# Altium PCB PCB1.PcbDoc
Units mil, origin at the board's own origin, x right, y up, seen from the top; angles counter-clockwise.
Board outline 15980 x 10455 mil, 2 copper layers (Top Layer, Bottom Layer); 39 components, 69 nets, 364 pads, 113 vias.
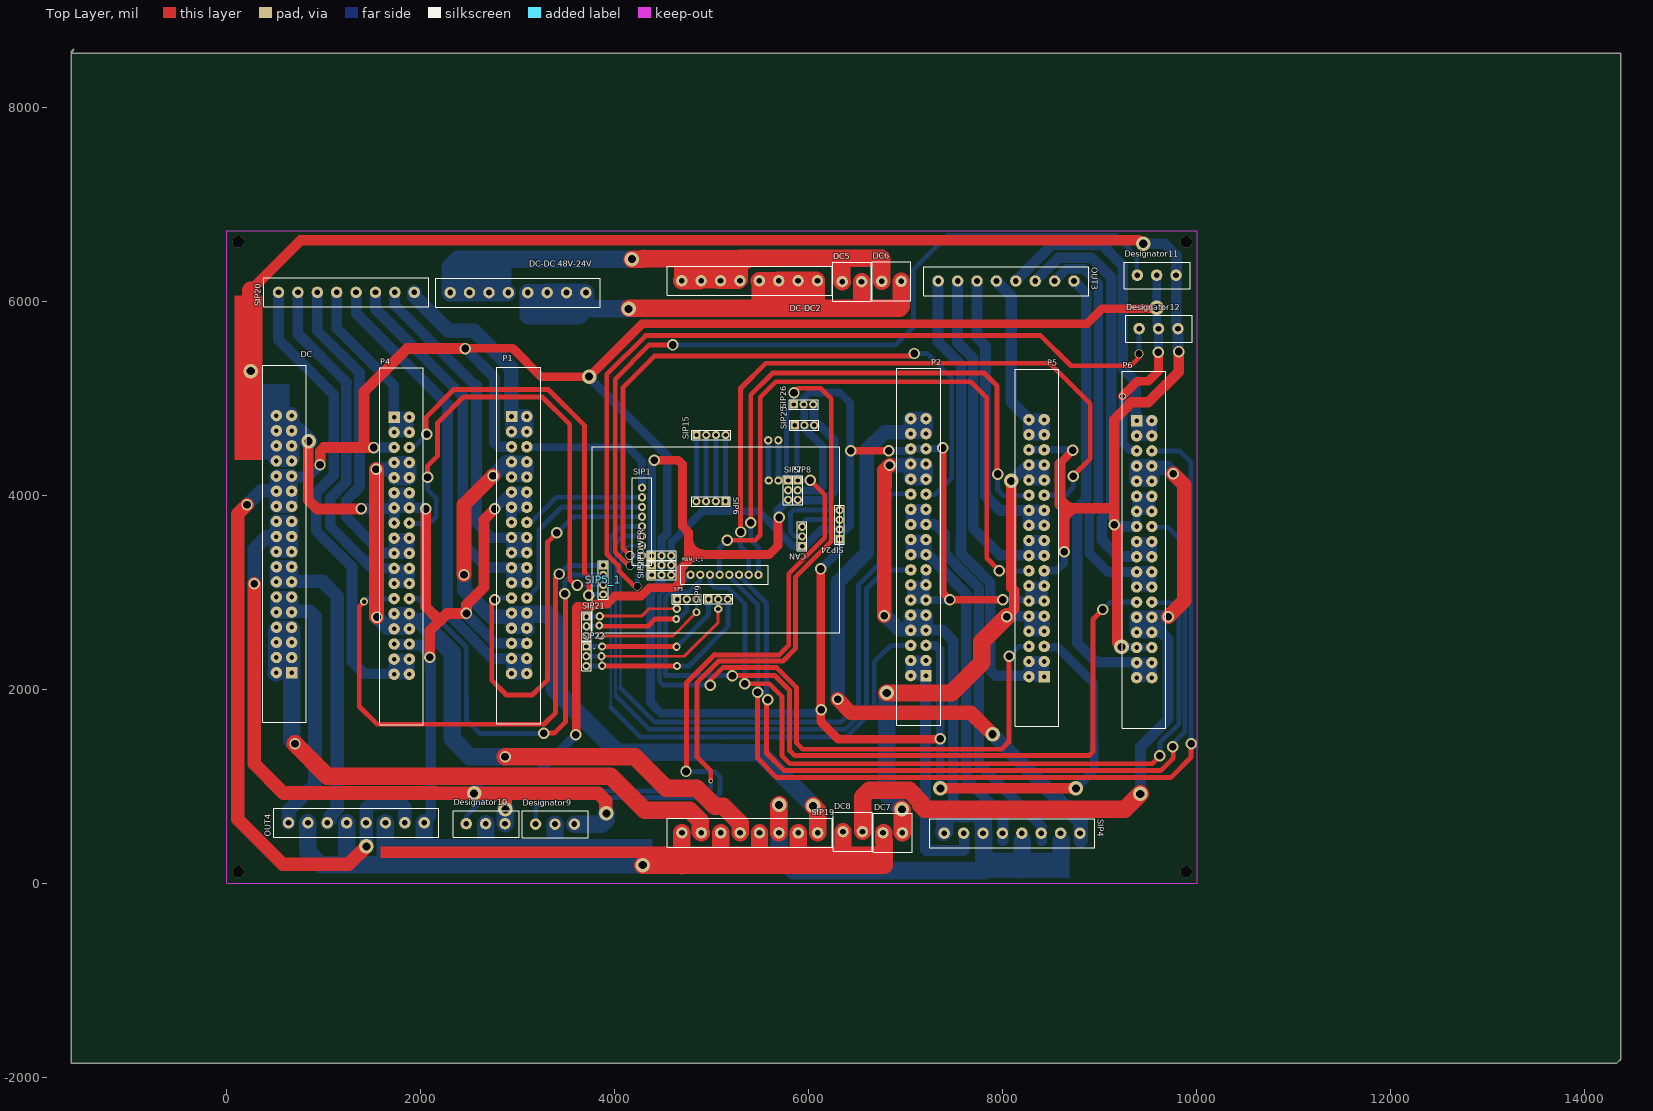
[diagram p0: Top Layer view]
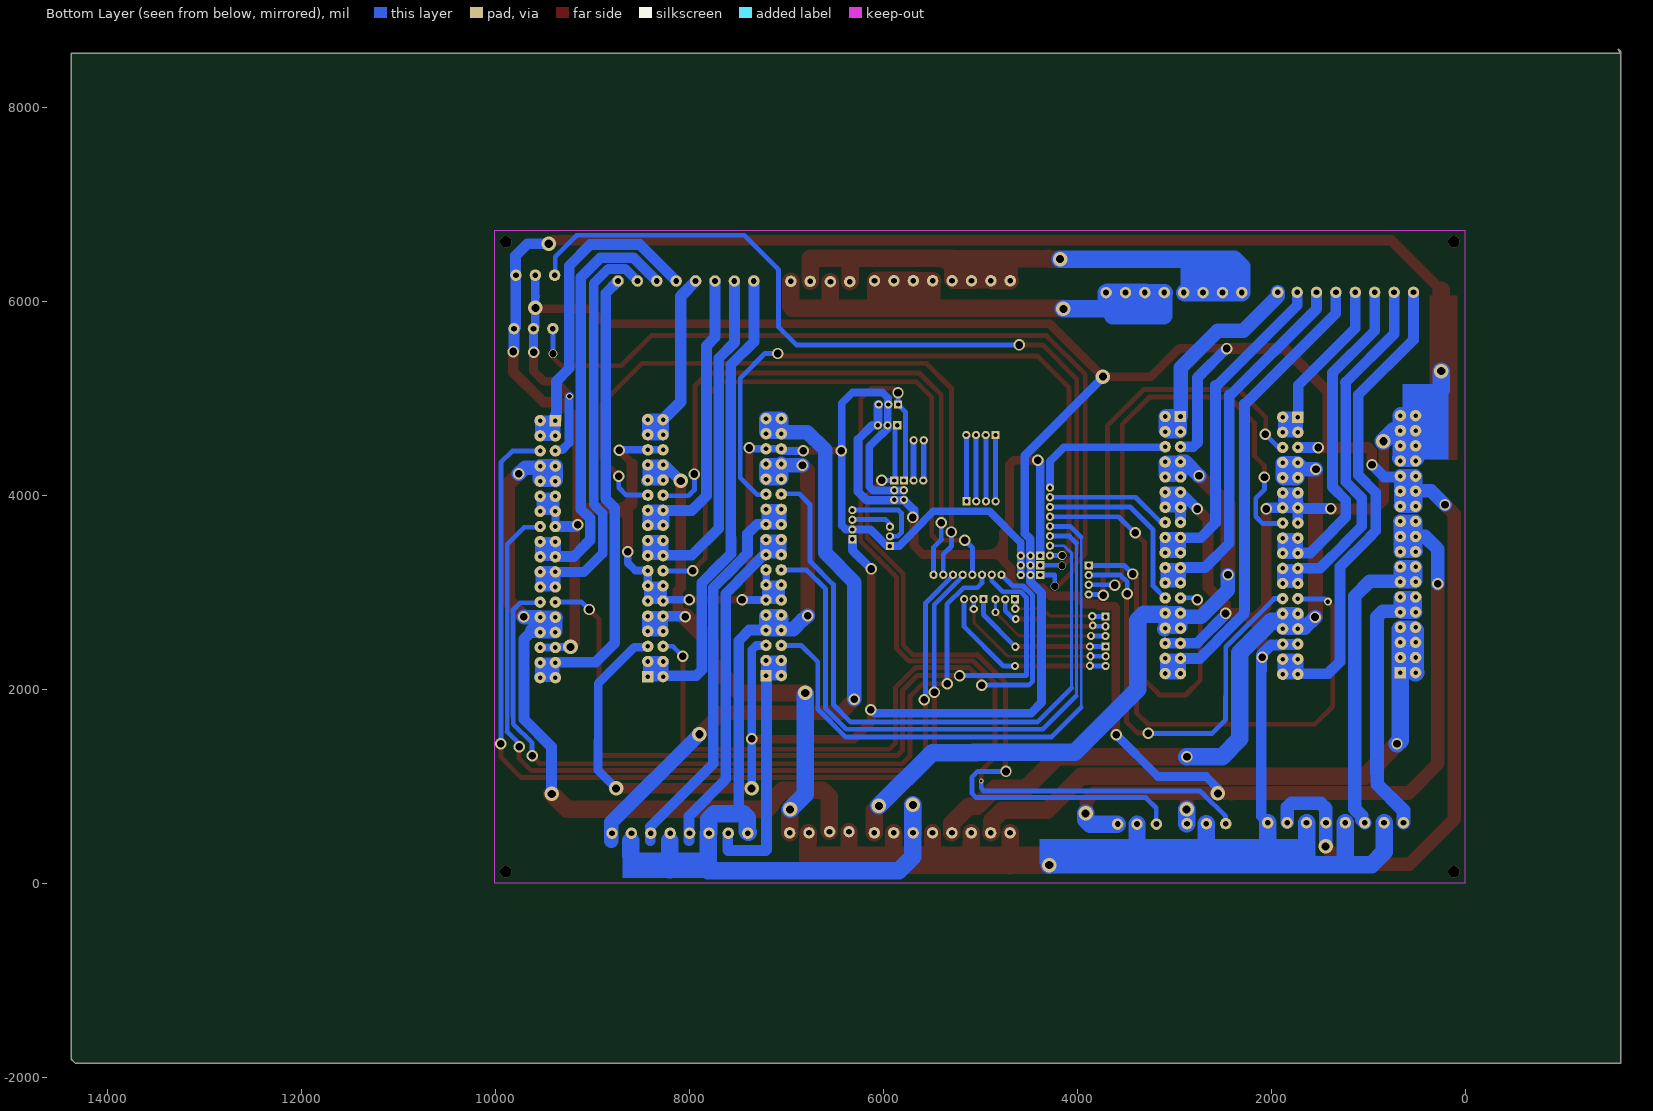
[diagram p1: Bottom Layer view, seen from below]

## Layer stack, top to bottom
Top Layer: signal copper 1.4
Dielectric: dielectric 12.6, FR-4, Dk 4.8
Bottom Layer: signal copper 1.4

## Board outline
-1600,8555 -1595,8560 14375,8560 14375,-1815 14335,-1855 -1605,-1855 -1605,8575 -1580,8600

## Design rules (kind name [scope] priority, off if disabled: settings)
Clearance [All] p1: gap=10
ComponentClearance [All] p1 off: gap=10 collisioncheckmode=3 verticalgap=10 showdistances=FALSE
PolygonConnect [All] p1: connectstyle=Relief reliefconductorwidth=10 reliefentries=4 polygonreliefangle="90 Angle"
RoutingVias [All] p1: holewidth=45 width=45 viastyle="Through Hole" minholewidth=45 minwidth=65 maxholewidth=500 maxwidth=500
SilkscreenOverComponentPads [All] p1: minsilkscreentomaskgap=10
SolderMaskExpansion [All] p1: expansion=4
Width Width_8 [InNet('DC24V_1-')] p1: maxlimit=180 minlimit=10 preferedwidth=180
Width Width_7 [InNet('DC24V_6+')] p2: maxlimit=180 minlimit=10 preferedwidth=180
Width Width_6 [InNet('DC24V_5+')] p3: maxlimit=180 minlimit=10 preferedwidth=180
Width Width_5 [InNet('DC24V_4+')] p4: maxlimit=180 minlimit=10 preferedwidth=180
Width Width_4 [InNet('DC24V_3+')] p5: maxlimit=180 minlimit=10 preferedwidth=180
Width Width_3 [InNet('DC24V_2+')] p6: maxlimit=180 minlimit=10 preferedwidth=180
Width Width_2 [InNet('DC24V_1+')] p7: maxlimit=180 minlimit=10 preferedwidth=180
Width Width_1 [InNet('5V')] p8: maxlimit=140 minlimit=10 preferedwidth=110
Width [All] p9: maxlimit=500 minlimit=10 preferedwidth=30
26 further rules are at their usual default settings.

## Components (designator, comment, footprint, x,y, rotation, side; value= is the part's Value field where it differs from the comment)
CAN "SIP3" SIP3 5932,3476 r180 top
DC "POWER_18*2" DIP36-3.96MM 669,2171 r180 top (schematic designator P3)
DC5 "SIP2" DIP2-3MM-K 6446,6203 r0 top
DC6 "SIP2" DIP2-3MM-K 6854,6206 r0 top
DC7 "SIP2" DIP2-3MM-K 6866,519 r0 top (schematic designator DC5)
DC8 "SIP2" DIP2-3MM-K 6454,531 r0 top (schematic designator DC5)
DC-DC2 "SIP8" DIP8-3MM 6091,6212 r270 top
"DC-DC 48V-24V" "SIP8" DIP8-3MM 2303,6090 r90 top
Designator9 "Comment" 123 3184,609 r0 top
Designator10 "Comment" 123 2469,613 r0 top
Designator11 "Comment" 123 9389,6269 r0 top
Designator12 "Comment" 123 9408,5718 r0 top
OUT3 "SIP8" DIP8-3MM 8736,6209 r270 top
OUT4 "SIP8" DIP8-3MM 636,623 r90 top (schematic designator OUT3)
P1 "Header" DIP36-3.96MM 2936,4812 r0 top
P2 "Header" DIP36-3.96MM 7210,2140 r180 top
P4 "Header" DIP36-3.96MM 1725,4805 r0 top
P5 "Header" DIP36-3.96MM 8429,2130 r180 top
P6 "Header" DIP36-3.96MM 9382,4769 r0 top
POWER "SIP3" SIP3 4383,3377 r90 top
PWM_1_1 "SIP8" SIP8 4782,3180 r90 top (schematic designator PWM_1)
SIP1 "SIP8" SIP8 4282,4079 r0 top
SIP2 "SIP3" SIP3 4383,3178 r90 top
SIP3 "SIP3" SIP3 4383,3278 r90 top
SIP4 "SIP8" DIP8-3MM 8798,515 r270 top
SIP5 "SIP3" SIP3 4643,2927 r90 top (schematic designator 通讯端口1)
SIP5_1 "SIP4" SIP4 3882,3277 r0 top (schematic designator SIP5)
SIP6 "SIP4" SIP4 5142,3937 r270 top
SIP7 "SIP3" SIP3 5788,4152 r0 top
SIP8 "SIP3" SIP3 5888,4152 r0 top
SIP9 "SIP3" SIP3 4967,2929 r90 top
SIP15 "SIP4" SIP4 4844,4621 r90 top
SIP19 "SIP8" DIP8-3MM 4693,519 r90 top
SIP20 "SIP8" DIP8-3MM 533,6093 r90 top
SIP21 "SIP3" SIP3 3709,2749 r0 top
SIP22 "SIP3" SIP3 3708,2440 r0 top
SIP24 "SIP4" SIP4 6319,3547 r180 top
SIP25 "SIP3" SIP3 5856,4721 r90 top
SIP26 "SIP3" SIP3 5848,4936 r90 top

## Footprints (in the part's own frame and the unit in brackets; to place one, negate y for a bottom-side part, rotate by r counter-clockwise, add the part's x,y. Pads: shape width x height; smd on the part's side, far side on the other; paste and mask are expansions set on the pad)
123 [mil]
  round 118 hole 59: 1(0,0) 2(200,0) 3(400,0)
  silkscreen extent -136,-141 545,136
DIP2-3MM-K [mm]
  round 3 hole 1.5: 1(-2.54,0) 2(2.54,0)
  silkscreen extent -5.08,-5.08 5.08,5.08
DIP8-3MM [mm]
  round 3 hole 1.5: 1(0,0) 2(0,-5.08) 3(0,-10.16) 4(0,-15.24) 5(0,-20.32) 6(0,-25.4) 7(0,-30.48) 8(0,-35.56)
  silkscreen extent -3.81,-39.37 3.81,3.81
DIP36-3.96MM [mm]
  rect 3x3 hole 1.2: 1(0,0)
  round 3 hole 1.2: 2(4,0) 3(0,-3.96) 4(4,-3.96) 5(0,-7.92) 6(4,-7.92) 7(0,-11.88) 8(4,-11.88) 9(0,-15.84) 10(4,-15.84) 11(0,-19.8) 12(4,-19.8) 13(0,-23.76) 14(4,-23.76) 15(0,-27.72) 16(4,-27.72) 17(0,-31.68) 18(4,-31.68) 19(0,-35.64) 20(4,-35.64) 21(0,-39.6) 22(4,-39.6) 23(0,-43.56) 24(4,-43.56) 25(0,-47.52) 26(4,-47.52) 27(0,-51.48) 28(4,-51.48) 29(0,-55.44) 30(4,-55.44) 31(0,-59.4) 32(4,-59.4) 33(0,-63.36) 34(4,-63.36) 35(0,-67.32) 36(4,-67.32)
  silkscreen extent -3.81,-80.52 7.62,12.95
SIP3 [mil]
  rect 85x85 hole 45: 1(0,0)
  round 85 hole 45: 2(0,-100) 3(0,-200)
  silkscreen extent -50,-250 50,50
SIP4 [mil]
  rect 85x85 hole 45: 1(0,0)
  round 85 hole 45: 2(0,-100) 3(0,-200) 4(0,-300)
  silkscreen extent -50,-350 50,50
SIP8 [mil]
  round 85 hole 45: 1(0,0) 2(0,-100) 3(0,-200) 4(0,-300) 5(0,-400) 6(0,-500) 7(0,-600) 8(0,-700)
  silkscreen extent -100,-800 100,100

## Part data
SIP5: library part S

## Free pads (board coordinates)
  round 85 hole 45: 0(5688,4152) 0(5688,4567) 1(5583,4567) 1(5588,4152)

## Via types
v1: diameter 118.11, hole 78.74, Top Layer to Bottom Layer, 67 vias
v2: diameter 149.61, hole 82.68, Top Layer to Bottom Layer, 15 vias
v3: diameter 85, hole 45, Top Layer to Bottom Layer, 7 vias
v4: diameter 149.61, hole 84.25, Top Layer to Bottom Layer, 6 vias
v5: diameter 118.11, hole 118.11, Top Layer to Bottom Layer, 4 vias
v6: diameter 90.94, hole 74.41, Top Layer to Bottom Layer, 3 vias
v7: diameter 80, hole 40, Top Layer to Bottom Layer, 3 vias
v8: diameter 80, hole 45, Top Layer to Bottom Layer, 2 vias
v9: diameter 50, hole 30, Top Layer to Bottom Layer, 1 vias
v10: diameter 70, hole 50, Top Layer to Bottom Layer, 1 vias
v11: diameter 122.05, hole 78.74, Top Layer to Bottom Layer, 1 vias
v12: diameter 82.28, hole 44.88, Top Layer to Bottom Layer, 1 vias
v13: diameter 149.61, hole 84.65, Top Layer to Bottom Layer, 1 vias
v14: diameter 85.83, hole 74.41, Top Layer to Bottom Layer, 1 vias

## Nets (pads, with @x,y where several pads share a name; then routed paths per layer and width w, separated by ;. In a path a pad name is that pad's centre, name@x,y a point inside that pad or via, vN(x,y) a via of type N, cw(c..) or ccw(c..) an arc to the next point about the centre after c; other vN are vias at no path point)
5V: DC.23 DC.24 DC.25 DC.26 DC.27 DC.28 Designator11.2 Designator12.2 OUT4.5 OUT4.7 P1.5 P2.5 P4.5 P5.5 P6.5 POWER.2 SIP2.2 SIP3.2 SIP24.1 | length 34949.8
  Top Layer w90: v1@2446,5515 2947,5515 3239,5223 v2(3737,5223) 3739,5223 4284,5768 8871,5768 9025,5922 9579,5922 v2(9589,5932) ; v1(6125,3240) 6125,1665 6305,1485 v1@7350,1485 ; v10(9235,5021) 9389,5175 9502,5175 9607,5280 v1@9607,5470
  Top Layer w110: v1(961,4315) 963,4317 963,4455 1001,4493 1514,4493 v1(1515,4492) ; 1414,4497 1414,5066 1861,5513 v1(2458,5513) ; v2(7358,978) v2(8756,978)
  Top Layer w140: 112,1147 112,659 577,194 1255,194 v2(1440,379) ; 112,1153 112,3807 v1(208,3903)
  Bottom Layer w90: v2@1436,383 v2(1440,379) ; v2@3740.5,5210.5 4542,4409 4542,3605.35 4485.5,3548.85 4485.5,3379.5 POWER.2 SIP3.2 4483,3277 4481,3275 SIP2.2@4481,3182 ; SIP2.2 4483,3107 4370,2994 4370,1860 4477,1753 6089,1753 v1@6130,1794 ; v1(6125,3240) 6319,3434 SIP24.1 ; P2.5 7308.19,2451.81 7356,2404 7356,1618 ; v1(7357,1489) 7357,1616 ; v2(7358,978) v1@7358,1489 ; P5.5@8429,2434 8567,2434 8941,2060 8941,1354 ; v2(8756,978) 8942,1164 8942,1472 ; v10(9235,5021) 9242,5014 9242,4538 9312,4468 P6.5@9378,4468 ; 9584,6050 9589,6045 ; Designator11.2 9589,6045 ; Designator12.2@9603,5723 9589,5737 v2(9589,5932) 9589,6045 ; Designator12.2 9608,5477 v1@9611,5474
  Bottom Layer w110: DC.27@666,4188 834,4188 v1(961,4315) ; v1(1515,4492) 1713,4492 P4.5@1720,4499 ; v1(2458,5513) 2458,5516 2760,5214 2760,4544 2803.81,4500.19 P1.5
  Bottom Layer w140: v1(208,3903) 350,4045 DC.26@502,4045 ; DC.27@668,4200 514,4200 509,4195 509,4045 511,4043 511,3889 665,3889 668,3892 665,3895 665,4193.77 DC.27 ; v2@1436,383 OUT4.5 1436,770 1491,825 1791,825 1833,783 OUT4.7@1833,630
  other v1: 6129,1790 9606,5473
9V: DC.17 DC.18 DC.19 DC.20 DC.21 DC.22 Designator9.3 Designator10.3 POWER.1 SIP7.3 SIP8.3 SIP25.3 SIP26.3 | length 17913.6
  Top Layer w90: v1(3598,1529) 3602,1533 3602,2841 3615.94,2854.94 3779.24,2854.94 3803.8,2879.5 3922.39,2879.5 4003.41,2960.53 4274.62,2960.53 4359.09,3045 4617,3045 4685,3113 ; v11(4407,4361) 4654,4361 4698,4317 4698,3683 4735,3646 ; 4684.5,3139.11 4684.5,3247.5 4755,3318 ; 4733,3644 4761,3616 4761,3327.45 ; 4751.39,3309.82 cw(c4884,3249) 4756,3319 ; 4752,3318 4755,3318 ; 4763,3544 ccw(c4921.5,3551.5) 4904.71,3393.71 ; 4768,3388 4839.69,3388 ; 4902.38,3393.73 ccw(c4884,3249) 4839.69,3388 ; v1(5698,3771) 5689,3771 5683,3765 5683,3480 5591,3388 4839.69,3388 ; 4755,3318 4756,3319 ; 4756,3319 cw(c4884,3249) 4761,3327.45 ; 4756,3319 4761,3324 4761,3327.45 ; 4761,3327.45 cw(c4884,3249) 4839.69,3388
  Top Layer w140: v1(283,3086) 283,1230 583,930 2159,930 ; 2163,926 2413,926 ; 2408,921 2413,926 ; 2861,907 2873,895 v2(2873,762) ; v2(3913,720) 3908,725 3908,847 3829,926 v2(2550,926) 2413,926
  Bottom Layer w90: v2(2550,926) 2550,976 2673,1099 3168,1099 v1(3598,1529) ; POWER.1 4383,4351 4391,4359 4405,4359 v11(4407,4361) ; v1(5698,3771) 5689,3771 5683,3765 5683,3847 SIP7.3 ; SIP7.3@5789,3950 5791,3948 6172,3948 6261,4037 6261,4575 6115,4721 SIP25.3 6056,4934 SIP26.3@6052,4938
  Bottom Layer w140: v1(283,3086) 283,3445 414,3576 DC.20@511,3576 ; DC.22 511.52,3576.52 DC.20@511,3576 ; DC.22@512,3731 515,3734 672,3734 668,3730 668,3577 667,3576 667,3420 663,3424 506,3424 511,3429 DC.20@511,3576 ; DC.20@524,3576 DC.20@511,3576
  Bottom Layer w180: Designator10.3 2873,617 v2(2873,762) ; Designator9.3@3589,606 3591,608 3867,608 3913,654 v2(3913,720)
12V_1: DC.9 DC.10 DC.11 DC.12 OUT4.1 | length 3090
  Bottom Layer w140: DC.10 653.62,2794.62 671,2812 671,2944 670,2945 517,2945 DC.10@517,2810 ; DC.10@515,2801 DC.10@517,2803 ; OUT4.1 636,750 907,1021 907,1133 909,1135 909,2748 851,2806 DC.9@672,2806
12V_2: DC.13 DC.14 DC.15 DC.16 OUT4.3 | length 3519.6
  Bottom Layer w140: DC.13@668,3114 668,3262 666,3264 514,3264 510,3260 510,3118 508,3116 517.57,3106.43 DC.13 ; DC.13@679,3115 982,3115 1138,2959 1138,1052 ; OUT4.3 1066,653 1066,693.42 1138,765.42 1138,1050 1139,1051
DC24V_1+: P1.7 P1.8 P1.9 P1.10 P1.27 P1.28 P1.29 P1.30 SIP19.8 | length 7820.4
  Top Layer w150: v1(2446,3179) 2446,3903 v1(2745,4202)
  Top Layer w180: v2(6045,797) 6093,749 SIP19.8
  Bottom Layer w150: v1@2448,3176 2448,3022 2723,2747 2936,2747 P1.27@2936,2780 ; v1(2745,4202) 2887.28,4344.28 P1.7 2936,4213 3078,4213 3079,4212 3085,4218 3085,4333 2944,4333 P1.7@2941,4330 ; P1.27@2947,2780 P1.27@2936,2780 ; P1.27@2948,2783 3080,2783 3088,2775 P1.30@3088,2652 ; P1.30@3080,2644 2936,2644 P1.27@2936,2780 ; P1.30 P1.30@3105.33,2617.47
  Bottom Layer w180: P1.28@3088,2775 3316,2775 3378,2713 3378,1998 4028,1348 5069,1348 ; 5044,1346 5496,1346 v2(6045,797)
DC24V_1-: CAN.1 DC7.1 DC8.1 DC.29 DC.30 DC.31 DC.32 DC.33 DC.34 DC.35 DC.36 Designator9.2 Designator10.2 Designator11.3 Designator12.3 OUT4.2 OUT4.4 OUT4.6 OUT4.8 P1.11 P1.12 P1.13 P1.14 P1.15 P1.31 P1.32 P2.11 P2.12 P2.13 P2.14 P2.15 P2.31 P2.32 P4.11 P4.12 P4.13 P4.14 P4.15 P4.31 P4.32 P5.11 P5.12 P5.13 P5.14 P5.15 P5.31 P5.32 P6.11 P6.12 P6.13 P6.14 P6.15 P6.31 P6.32 POWER.3 SIP2.3 SIP3.3 SIP7.2 SIP8.2 SIP19.1 SIP19.3 SIP19.5 SIP19.7 SIP24.2 SIP25.2 SIP26.2 | length 52726.7
  Top Layer w80: v1(6434,4460) v1(6826,4460) ; v1(7383,4488) 7383,2996 v1@7458,2921 ; v1(7457,2923) v1(8003,2923) ; 8591,3905 8635.5,3860.5 ; 8591,4327 v1@8727,4468 ; v1(8635,3419) v1@8636,3419 ; 8635.5,3867 8635.5,3860.5 ; 8636,3860 8635.5,3860.5 ; 8636,3860.5 8635.5,3860.5 ; v1@8723.5,4462.5 8725,4464 v1(8724,4464) ; 9148,3867 9151,3870 ; v2@9182,2480 v2(9226,2436)
  Top Layer w90: 8587,4038 ccw(c8755,4039) 8756,3871 ; 8641,3661 cw(c8804.5,3701.5) 8764,3865
  Top Layer w110: 247,6115 761,6629 9406,6629 9446,6589 v4(9451,6594) ; v4(843,4557) 841,4555 841,3949 931,3859 1382,3859 v1(1386,3863) ; v1(2050,3859) 2050,2851 2193,2708 ; v1(2094,2329) 2094,2604 2271,2781 v1(2471,2781) ; v1@2471,2789 2471,2870 2652,3051 2652,3747 v1(2764,3859) ; 8591,3905 8591,4325 ; 8635.5,3867 9148,3867 ; v1@8636,3419 8636,3860.5 ; v1(9151,3695) 9151,3870 9151,4779 9280.56,4908.56 9280.56,4911 9327.56,4958 9502,4958 9815,5271 v1(9815,5482) ; v1@9155,3689 9182,3662 v2@9182,2480
  Top Layer w180: v13(247,5281) 247,6115 ; v2(4289,186) 4693,186 ; SIP19.1 4693,186 ; 4694,181 4693,182 4693,186 ; SIP19.3 5093,195 5094,194 ; SIP19.5 5493,202 5496,199 ; 5886,194 5893,201 SIP19.7 ; DC8.1 6354,205 6360,199 ; DC7.1@6773,519 6776,516 6776,440.3 6778,438.3 6778,186 4693,186
  Bottom Layer w80: SIP2.3@4578,3175 4584,3181 4584,3376 POWER.3 4583,3512 4905,3834 5486,3834 5588,3732 5588,3725.65 5836.65,3477 CAN.1@5930,3477 ; SIP7.2@5787,4051 5788,4050 6106,4050 6146,4090 6146,4503 6023,4626 6016.65,4626 5956,4686.65 SIP25.2 5955.5,4721.5 5955.5,4928.5 SIP26.2 SIP26.2@5947,4937 ; CAN.1 5962.81,3476 6024.5,3537.69 6024.5,3538.5 6133,3647 SIP24.2 ; SIP26.2@5953,4934 5953,5004 6010,5061 6316,5061 6429,4948 6429,4586 6430,4585 6430,4464 v1(6434,4460) ; SIP24.2@6322,3647 SIP24.2 ; v1@6429,4460 6429,3689 6387,3647 SIP24.2 ; v1(6826,4460) 6829,4457 7030.94,4457 P2.32 7198.42,4478.58 P2.31@7205,4472 ; P2.14@7051,3076 7054,3079 7212,3079 7211,3078 7211,2920 P2.11@7210,2921 ; P2.14 7052.52,2921.52 7052,2921 P2.11@7210,2921 ; P2.11@7200.47,2919.53 7205,2915 P2.11@7208,2918 ; P2.15@7210,3242 7208,3240 7208,3079 7210,3077 P2.13 P2.11@7210,2921 ; P2.31 7373.58,4478.58 v1(7383,4488) ; v1(7457,2923) 7453.53,2919.53 P2.11 P2.11@7210,2921 ; v1(8003,2923) P5.12@8269,2923 ; P5.12@8266,2917 8269,2920 P5.12@8269,2923 ; P5.32 8426.58,4468.58 P5.31@8427,4469 ; P5.31 8728,4468.58 8728,4467 8725,4464 v1(8724,4464) ; P5.15@8432,3223 P5.15@8433,3224 ; v1(8635,3419) 8635,3301 8559,3225 8434,3225 P5.15@8433,3224 ; v2(9226,2436) 9369,2436 9384,2421 9393.42,2430.42 P6.32 ; P6.13@9374,3841 P6.13@9377,3841 ; P6.13@9381,3836 9382,3835 P6.13@9382,3834 ; P6.15 P6.13 P6.13@9382,3834 ; P6.13@9405,3841 P6.13@9377,3841 ; P6.12 P6.12@9539,3989.47 ; P6.12@9542,3996 9539,3993 P6.12@9539,3989.47 ; P5.12@8269,2923 8270,2923 8276,2917 8419,2917 8429,2907 8429,3060 8426,3063 8426,3223 8433,3230 P5.15@8433,3224 ; P5.12@8269,2923 8269,3076 8275,3070 8436,3070 8433,3073 P5.15@8433,3224 ; P6.13@9377,3841 9377,3833 9379,3831 P6.13@9382,3834 ; P6.13@9377,3841 9377,3992 9379.53,3989.47 P6.11 P6.12@9539,3989.47 ; P6.13@9382,3834 9386,3838 9539,3838 P6.12@9539,3989.47
  Bottom Layer w90: P4.31@1723,2469 P4.31@1729,2463
  Bottom Layer w110: v1(1386,3863) 1720,3863 P4.13@1723,3866 ; P4.15@1719,3717 1727,3725 P4.13@1727,3869.57 ; P4.13@1722,3922 P4.13@1725,3925 ; P4.13@1723,3879 P4.13@1725,3877 ; P4.31@1725,2466 1730,2461 1895,2461 1900,2456 2003,2456 2101,2358 2101,2193 ; P4.11@1730,4023 1725,4018 P4.11@1725,4014 ; P4.11@1732,4014 P4.11@1725,4014 ; 1735,3935 P4.13@1725,3925 ; P4.14 2039.43,3869.57 v1(2050,3859) ; OUT4.8 2103,690 2103,2210 ; v1(2471,2781) 2471,2770 2767.58,2473.42 P1.31 2931.42,2473.42 P1.31@2931,2473 ; v1(2764,3859) 2764,3860.47 P1.11 ; P1.13@2921.57,3869.57 P1.13@2929,3877 ; P1.13@2926,3891 2936,3881 P1.13 P1.15 ; P1.31@2935,2476 2937.58,2473.42 P1.32 ; P1.14@3081,3883 3089,3891 3089,4034 2951,4034 2938,4021 2938,3879 2940.43,3876.57 P1.14 ; v1(9151,3695) 9169,3677 P6.15@9388,3677 ; v4(9451,6594) 9670,6594 9793,6471 Designator11.3@9793,6269 ; Designator11.3 9789,5733 Designator12.3@9808,5714 ; Designator12.3 Designator12.3@9808,5714 ; Designator12.3@9810,5712 Designator12.3@9808,5714 ; v1@9811,5490 9808,5493 Designator12.3@9808,5714 ; P4.13@1725,3877 1727,3875 P4.13@1727,3869.57 ; P4.13@1725,3877 P4.13@1725,3925 ; P4.13@1725,3877 P4.13 P4.13@1727,3869.57 ; P4.13@1725,3925 P4.11@1725,4014 ; P4.11@1725,4014 1723,4014 1723,4030 1727,4026 1881,4026 1877,4022 1877,3871 1875.57,3869.57 P4.13@1727,3869.57
  Bottom Layer w180: v13(247,5281) 247,5085.91 DC.36 511,4820.87 511,4385 516,4380 665,4380 662,4383 DC.35@662,4818 ; DC.33 734.51,4665.49 v4(843,4557) ; OUT4.2 836,322 966,192 2036,192 ; 1232,204 1236,208 OUT4.4 ; OUT4.6 1636,207 1644,199 ; OUT4.8 2036,192 ; 2039,189 2036,192 ; Designator10.2 2669,207 2675,201 ; Designator9.2 3384,203 3395,192 ; 3398,189 3395,192 ; v2(4289,186) 4283,192 3395,192 ; 2036,192 3395,192
DC24V_2+: P2.7 P2.8 P2.9 P2.10 P2.27 P2.28 P2.29 P2.30 SIP4.2 SIP4.4 SIP4.6 SIP4.8 SIP19.6 | length 10271
  Top Layer w150: v1(6781,2756) 6781,4138 ; 6782,4104 6782,4258 v1(6834,4310)
  Top Layer w180: SIP19.6 5693,805 v2(5695,807)
  Bottom Layer w110: P2.7@7214,2611 7382,2611 7492,2501 7492,729 7488,725 ; SIP4.8 SIP4.8@7398,529
  Bottom Layer w150: v1(6781,2756) 6835,2714 6930,2619 P2.8@7053,2619 ; v1(6834,4310) 6835,4311 P2.30@7052.52,4311 ; P2.30 P2.30@7052.52,4311 ; P2.8@7053,2616 P2.8@7053,2619 ; P2.30@7052.52,4311 7198,4311 7205,4304 7205,4176 7055,4176 7052.52,4173.52 P2.30@7052.52,4311 ; P2.8@7053,2619 7053,2746 7061,2754 7205,2754 7205,2619 P2.8@7053,2619
  Bottom Layer w180: v2(5695,807) 5695,274 5840,129 7804,129 SIP4.6@7804,513 ; SIP4.8@7394,525 7398,529 7405,536 7405,675 7446,716 7742,716 7798,660 SIP4.6 ; 7804,154 7910,154 7915,149 ; 8204,138 8204,438 ; 8483,163 8605,285 8605,435
DC24V_3+: P4.7 P4.8 P4.9 P4.10 P4.27 P4.28 P4.29 P4.30 SIP19.4 | length 8032.8
  Top Layer w150: v1(1539,4269) 1543.5,4264.5 1543.5,2748.5 v1(1548,2744)
  Top Layer w180: v1(2869,1304) 4043,1304 ; 4043,1303 4208,1303 4531,980 4846,980 5034,792 5119,792 5293,618 SIP19.4
  Bottom Layer w150: v1(1539,4269) 1669,4269 P4.7@1731,4331 ; v1(1548,2744) 1656,2636 1877,2636 1887,2646 1882,2651 1882,2771 1739,2771 1735,2767 1735,2654 P4.29@1727,2646 ; P4.10@1881,4186 1871,4176 1735,4176 1731,4180 P4.7@1731,4331 ; P4.10 1882.48,4327.52 1882,4328 1734,4328 P4.7@1731,4331
  Bottom Layer w180: 1883,2702 1998,2702 2323,2377 2323,1488 2507,1304 v1(2869,1304)
DC24V_4+: DC.1 DC.2 DC.3 DC.4 DC.5 DC.6 DC.7 DC.8 SIP19.2 | length 6432.6
  Top Layer w180: v1(703,1437) 1036,1104 3833,1104 ; 3833,1101 3961,1101 4310,752 4774,752 4883,643 4883,529 SIP19.2
  Bottom Layer w180: DC.2@511,2170 513,2172 513,2606 527,2620 530,2617 671,2617 669,2615 DC.5 DC.3 DC.1 669,1471 v1(703,1437)
DC24V_5+: DC7.2 P5.7 P5.8 P5.9 P5.10 P5.27 P5.28 P5.29 P5.30 | length 6595.9
  Top Layer w110: v1@8042,2749 8121,2828 8121,3014 8089,3046 v4(8089,4148)
  Top Layer w180: v4(6806,1961) 7473,1961 7784,2272 7784,2489 v1(8044,2749) ; v2(6962,762) 6966,758 DC7.2
  Bottom Layer w110: v1(8044,2749) 8048.62,2753.62 P5.10 P5.10@8277,2753.62 ; v4(8089,4148) 8088,4148 8252.68,4312.68 P5.30 8271.52,4158.48 8272,4158 P5.27@8427,4158 ; P5.30@8263,4316 8425,4316 8428,4313 8428,4158 P5.27@8427,4158 ; P5.7@8409,2615 8409,2622 P5.10@8277.38,2753.62 ; P5.27@8419,4166 P5.27@8427,4158 ; P5.27@8442,4143 P5.27@8427,4158 ; P5.10@8277,2753.62 P5.10@8277.38,2753.62 ; P5.10@8277,2753.62 8277,2606 8285,2598 8422,2598 8436,2612 8436,2752 8434.38,2753.62 P5.9 P5.10@8277.38,2753.62 ; P5.10@8277,2753.62 8277,2754 P5.10@8277.38,2753.62
  Bottom Layer w180: v4@6805,1950 6805,919 v2(6962,762)
DC24V_6+: DC8.2 P6.7 P6.8 P6.9 P6.10 P6.27 P6.28 P6.29 P6.30 | length 8489.9
  Top Layer w150: v1(9708,2749) 9871,2912 9871,4109 v1(9759,4221)
  Top Layer w180: DC8.2@6559,533 6559,669 ; 6560,679 6560,890 6627,957 7035.7,957 7156,836.7 7156,806 7199,763 9262,763 v4(9420,921)
  Bottom Layer w110: v4@9424,933 9422,935 9422,1405 9706,1689 9706,2517 9618,2605
  Bottom Layer w150: P6.7@9377,4297 9379,4295 9379,4155 9384,4160 9539,4160 9542,4163 9542,4295 9535.72,4301.28 P6.7 ; P6.28@9519,2738 9383,2738 9380,2735 9383,2732 9383,2597 9540,2597 9542,2599 9539.48,2601.52 P6.28 9701.23,2742.23 v1(9708,2749) ; P6.30@9541,2605 9618,2605 ; P6.8@9543,4286 9694,4286 v1(9759,4221)
NetCAN_2: CAN.2 SIP24.4 | length 852.8
  Bottom Layer w50: CAN.2@5891,3576 CAN.2 ; CAN.2@5891,3578 5850,3578 5814,3614 5814,3816 5845,3847 SIP24.4
NetCAN_3: CAN.3 SIP24.3 | length 439.2
  Bottom Layer w50: CAN.3 5932,3705 5976,3749 SIP24.3@6324,3749
NetSIP2_1: Designator12.1 SIP2.1 | length 8822.1
  Top Layer w50: 3918,3403.4 3918,5247 4318,5647 8394,5647 8705,5336 9321.86,5336 9407,5421.14 v6(9407,5460) ; 3919,3407 3919,3391 4042,3268 4042,3222 4203,3061 v6(4233,3061) ; 4042,3221 4114,3149
  Bottom Layer w50: v6(4233,3061) 4232,3061 4232,3178 SIP2.1 ; v6(9407,5460) 9407,5715 Designator12.1@9408,5716
NetSIP3_1: Designator11.1 SIP3.1 | length 8836.8
  Top Layer w50: v14(4157,3274) 4143,3274 4005,3412 4005,5197 4358,5550 v1(4598,5550)
  Bottom Layer w50: v14(4157,3274) 4161,3278 SIP3.1 ; v1(4598,5550) 6897,5550 7080,5733 7080,6326 7436,6682 9163,6682 9384,6461 Designator11.1@9384,6279
NetSIP5_1: SIP5.1 SIP21.1 | length 1064.1
  Top Layer w30: v3(3846,2753) 4278,2753 4355,2830 v3(4639,2830)
  Bottom Layer w50: SIP21.1 3843,2749 3846,2752 v3(3846,2753) ; v3(4639,2830) SIP5.1@4639,2927 ; SIP5.1 SIP5.1@4643,2930
NetSIP5_2: SIP5.2 SIP21.2 | length 1281.5
  Top Layer w50: v7(3841,2657) 3841,2673 3865,2649 4343,2649 4418.42,2724.42 v7(4634,2724.42)
  Bottom Layer w50: SIP21.2@3707,2650 3814,2650 3839,2675 3841,2673 v7(3841,2657) ; v7@4634,2702 4743,2811 SIP5.2
NetSIP5_3: SIP5.3 SIP21.3 | length 1370.5
  Top Layer w30: v8(3859,2550) 4601,2550 4844,2793 v8(4844,2794)
  Bottom Layer w30: v8@3858,2549 v8(3859,2550) ; v8(4844,2794) SIP5.3@4844,2926
  Bottom Layer w50: SIP21.3 v8@3858,2549 ; SIP5.3@4842,2929 SIP5.3@4843,2930
NetSIP6_1: SIP6.1 SIP15.4 | length 686.5
  Bottom Layer w50: SIP15.4@5136,4621 5142,4615 SIP6.1
NetSIP6_2: SIP6.2 SIP15.3 | length 684.4
  Bottom Layer w50: SIP6.2@5043,3937 5044,3938 SIP15.3
NetSIP6_3: SIP6.3 SIP15.2 | length 687.8
  Bottom Layer w50: SIP15.2@4940,4624 4942,4622 SIP6.3
NetSIP6_4: SIP6.4 SIP15.1 | length 681
  Bottom Layer w50: SIP6.4@4844,3940 SIP15.1
NetSIP7_1: Designator10.1 SIP7.1 SIP26.1 | length 9145.5
  Top Layer w50: v9(4991,1055) 4991,1158 4847,1302 4847,2067 5070,2290 5735,2290 5866,2421 5866,3160 6233,3527 6233,4994 6124,5103 5895,5103 v1(5849,5057)
  Bottom Layer w50: Designator10.1@2471,614 2471,690 2699,918 ; 2701,916 2735,950 4963,950 4991,978 v9(4991,1055) ; SIP7.1@5784,4150 5772,4162 5772,4860 SIP26.1 5848,5056 v1(5849,5057)
NetSIP8_1: Designator9.1 SIP8.1 SIP25.1 | length 7435.6
  Top Layer w50: v1@4736,1153 4740,1157 4740,2067 5030.7,2357.7 5034.9,2353.5 5695.5,2353.5 5794,2452 5794,3192 6166,3564 6166,4004 v1(6015,4155)
  Bottom Layer w50: Designator9.1@3185,608 3185,775 3292,882 5043,882 5087,926 5087,1091 5026,1152 v1(4735,1152) ; SIP25.1@5856,4720 5878.5,4697.5 5878.5,4161.5 SIP8.1 6012,4152 v1(6015,4155)
NetSIP9_1: SIP9.1 SIP22.1 | length 1555.7
  Top Layer w50: v3(3870,2440) 3871,2439 v3(4638,2439)
  Bottom Layer w50: SIP22.1@3709,2440 v3(3870,2440) ; v3(4638,2439) 4967,2768 SIP9.1
NetSIP9_2: SIP9.2 SIP22.2 | length 1747
  Top Layer w30: v3(3863,2340) 4718,2340 5067,2689 v3(5067,2827)
  Bottom Layer w50: SIP22.2 v3(3863,2340) ; v3(5067,2827) 5068,2828 SIP9.2@5068,2932
NetSIP9_3: SIP9.3 SIP22.3 | length 1916.1
  Top Layer w50: v3@3866,2237 v3@3868,2239 ; v3(3870,2241) v3@3868,2239 ; v7(4643,2239) v3@3868,2239
  Bottom Layer w50: SIP22.3@3713,2237 3717,2241 v3(3870,2241) ; v7(4643,2239) 4762,2239 5167,2644 SIP9.3
OUT1: P1.1 P1.2 P1.3 P1.4 SIP20.8 | length 2437.5
  Bottom Layer w150: SIP20.8 1933,6052 2288,5697 2550,5697 2932,5315 P1.1@2932,4817 ; P1.1 P1.1@2947,4812 ; P1.1@2947,4812 2943,4808 2943,4661 3078,4661 3088,4671 3088,4811 3087,4812 P1.1@2947,4812
OUT1-: P1.17 P1.18 P1.19 P1.20 SIP20.7 | length 4029.7
  Bottom Layer w110: SIP20.7 1733,5958 2571,5120 ; 2574,5133 2574,3717 2728,3563 P1.17@2940,3563 ; P1.17 P1.17@2941.76,3564.76 ; P1.17@2941,3563 P1.17@2940,3563 ; P1.20@3089,3409 3089,3420 P1.17@2944.24,3564.76 ; P1.17@2940,3563 P1.17@2941.76,3564.76 ; P1.17@2940,3563 2935,3558 2935,3403 2938,3406 3095,3406 3092,3409 3092,3566 3090.76,3564.76 P1.17@2944.24,3564.76 ; P1.17@2941.76,3564.76 P1.17@2944.24,3564.76 ; P1.17@2941.76,3564.76 2943,3566 P1.17@2944.24,3564.76
OUT2: P1.21 P1.22 P1.23 P1.24 SIP20.6 | length 4378.4
  Bottom Layer w110: SIP20.6 1533,5920 2432,5021 ; 2434,5038 2434,3504 2683,3255 P1.21@2923,3255 ; P1.21 2936,3107 2932,3103 3089,3103 3089,3242 3095,3248 2944,3248 P1.24@3086,3106
OUT2-: P1.33 P1.34 P1.35 P1.36 SIP20.5 | length 5409.4
  Bottom Layer w110: SIP20.5 1333,5876 2273,4936 ; 2275,2817 2275,4944 ; 2277,2824 2277,2781 2567,2491 ; 2565,2489 2736.49,2317.51 P1.33 P1.35 2936,2160 2933,2157 3089,2157 3094,2162 3094,2313 2938,2313 3083,2168 P1.36@3087,2168
OUT3: P4.1 P4.2 P4.3 P4.4 SIP20.4 | length 2165.8
  Bottom Layer w110: SIP20.4 1133,5723 1722,5134 ; P4.1@1720,4810 1873,4810 1877,4806 1877,4645 1873,4649 1720,4649 1725,4654 P4.1 ; 1722,5136 1722,5134 ; P4.1@1723,4810 1723,5133 1722,5134
OUT3-: P4.17 P4.18 P4.19 P4.20 SIP20.3 | length 5218.2
  Bottom Layer w110: SIP20.3 933,5698 1368,5263 ; 1361,3642 1598,3405 P4.19@1728,3405 ; 1366,3642 1232,3776 1232,3949 1368,4085 ; P4.17 1872.76,3557.76 1878,3563 P4.20@1878,3410 ; P4.20@1884,3410 P4.20@1878,3410 ; 1368,4085 1368,5263 ; 1368,4085 1368,5263 ; P4.20@1878,3410 1873,3410 1803.86,3479.14 1733,3550 1725,3542 P4.19 1725,3399 1872,3399 1878,3405 P4.20@1878,3410
OUT4: P4.21 P4.22 P4.23 P4.24 SIP20.2 | length 4347.7
  Bottom Layer w110: SIP20.2 733,5663 1232,5164 ; 1232,3511 1497,3246 P4.21@1716,3246 ; 1232,5171 1232,5164 ; 1234,5162 1232,5164 ; 1252,3495 1065,3682 1065,3972 1232,4139 1232,5164 ; P4.21 1732.94,3238 1880,3238 1883,3235 1883,3097 1882.48,3097 1725,3097 1725,3229 1728,3232 1856,3104 P4.24@1873,3104
OUT4-: P4.33 P4.34 P4.35 P4.36 SIP20.1 | length 5386.7
  Bottom Layer w110: SIP20.1 533,5605 1103,5035 1103,4208 921,4026 921,3635 978,3578 ; 970,3583 1291,3262 1291,2284 1414,2161 P4.35@1715,2161 ; P4.35@1721,2150 1724,2153 1724,2311 1726,2313 1879,2313 1879,2156 1877.61,2154.61 P4.35
OUT5: P2.1 P2.2 P2.3 P2.4 SIP4.7 | length 3202.5
  Bottom Layer w110: P2.2 P2.2@7052.52,2145.48 ; P2.3@7202,2284 7190,2284 P2.2@7052.52,2146.52 ; P2.1@7214,2148 7204,2138 7204,346 7213,337 7599,337 7604,342 SIP4.7@7604,505 ; P2.2@7052.52,2145.48 P2.2@7052.52,2146.52 ; P2.2@7052.52,2145.48 7053,2145 7209,2145 7209,2288 7210,2289 7204,2295 7050,2295 7052.52,2292.48 P2.2@7052.52,2146.52 ; P2.2@7052.52,2145.48 7052,2146 P2.2@7052.52,2146.52
OUT6: P2.17 P2.18 P2.19 P2.20 SIP4.5 | length 4119
  Bottom Layer w110: P2.20 7053.67,3542 7216,3542 7216,3391 P2.17@7212,3387 ; P2.17@7200,3406 7067,3539 7056,3539 7053,3536 7053,3403 7196,3403 P2.17@7212,3387 ; P2.17@7203,3387 P2.17@7212,3387 ; 8004,438 8004,691 7624,1071 7624,2985.59 7497,3112.59 7497,3119.78 7229.78,3387 P2.17@7212,3387
OUT7: P2.21 P2.22 P2.23 P2.24 SIP4.3 | length 4616.9
  Bottom Layer w110: P2.24 7052.52,3705.52 7049,3702 7200,3702 P2.21@7200,3717 ; P2.21@7204,3706 7204,3713 P2.21@7200,3717 ; P2.21@7209,3702 7301,3702 7401,3602 7401,3402 7443,3360 7443,3355.29 7617,3181.29 7618.71,3181.29 7754,3046 7754,1232 8404,582 8404,438 ; P2.21@7200,3717 7200,3849 7204,3853 7064,3853 P2.21@7200,3717
OUT8: P2.33 P2.34 P2.35 P2.36 SIP4.1 | length 7014.7
  Top Layer w150: v1(6300,1895) 6436,1759 7673,1759 v4(7896,1536)
  Bottom Layer w150: v1(6300,1895) 6300,3105 6600,3405 6600,4468 6784,4652 P2.34@7050,4652 ; P2.36 7205.61,4790.39 7206,4790 7206,4657 7209,4654 7065,4654 7054,4665 P2.36@7054,4787 ; v4(7896,1536) 8804,628 8804,438
OUT9: OUT3.8 P5.1 P5.2 P5.3 P5.4 | length 5500.5
  Bottom Layer w110: OUT3.8@7334,6217 7334,5584 7572,5346 7572,3557 7571,3556 7571,3397 7666.71,3301.29 7668.41,3301.29 7874,3095.71 7874,2194 7930,2138 P5.2@8270,2138 ; P5.4 8271.52,2137.52 8266,2132 8421,2132 8423,2130 P5.1@8423,2140 ; P5.1@8428,2132 8428,2135 P5.1@8423,2140 ; P5.1@8423,2140 8279,2284 8282,2287 8425,2287 8423,2285 P5.1@8423,2140
OUT9-: OUT3.7 P5.17 P5.18 P5.19 P5.20 | length 4108.2
  Bottom Layer w110: OUT3.7@7535,6206 7535,5575 7698,5412 7698,3658 7976,3380 P5.18@8271,3380 ; P5.18@8266,3390 8268,3390 P5.18@8269,3391 ; P5.19 8429,3395 8419,3385 8274,3385 8271,3382 8269,3384 P5.18@8269,3391 ; P5.18@8269,3391 8269,3527 8278,3536 8414,3536 P5.18@8269,3391
OUT10: OUT3.6 P5.21 P5.22 P5.23 P5.24 | length 3576.2
  Bottom Layer w110: OUT3.6@7736,6211 OUT3.6 7736,5628 7824,5540 7824,3994 7976,3842 P5.24@8267,3842 ; P5.22@8274,3708 8274,3714 8411,3851 8274,3851 8258,3835 8258,3697 8260,3695 8425,3695 8429,3699 P5.23
OUT10-: OUT3.5 P5.33 P5.34 P5.35 P5.36 | length 2408.8
  Bottom Layer w120: OUT3.5@7934,6210 8090,6054 8090,4963 8422,4631 P5.33@8427,4631 ; P5.36 8271.52,4626.48 8272,4626 8422,4626 P5.33@8427,4631 ; P5.36@8272,4781 8427,4781 P5.33@8427,4631 ; P5.33@8433,4631 P5.33@8427,4631
OUT11: OUT3.4 P6.1 P6.2 P6.3 P6.4 | length 3916.8
  Bottom Layer w110: OUT3.4 8513,6586 9021,6586 9239,6368 9239,5309 9371,5177 9371,4788 P6.1@9380,4779 ; P6.1@9380,4762 P6.1@9380,4779 ; 9380,4829 P6.1@9380,4779 ; P6.1@9382,4777 P6.1@9380,4779 ; P6.2 P6.2@9539.48,4765.52 ; P6.3@9384,4616 9386,4614 9542,4614 9539.48,4616.52 P6.2@9539.48,4763 ; P6.3@9384,4616 9382,4618 P6.1 9536,4769 P6.2@9539.48,4765.52 ; P6.3@9384,4616 9531,4763 P6.2@9539.48,4763 ; P6.2@9539.48,4763 P6.2@9539.48,4765.52 ; P6.2@9539.48,4763 9542,4763 P6.2@9539.48,4765.52
OUT11-: OUT3.3 P6.17 P6.18 P6.19 P6.20 | length 4934.4
  Bottom Layer w110: OUT3.3 8576,6449 8916,6449 9119,6246 9119,3862 ; 9114,3852 9024,3762 9024,3538 9127,3435 ; 9126,3434 9192,3368 P6.19@9379,3368 ; P6.19@9383,3383 9401,3383 9534,3516 9383,3516 9378,3511 9378,3377 9533,3377 9536,3374 9539.48,3377.48 P6.18
OUT12: OUT3.2 P6.21 P6.22 P6.23 P6.24 | length 4825.5
  Bottom Layer w100: OUT3.2 8661,6334 8838,6334 8985,6187 8985,3909 8972,3896 8972,3891 8894,3813 8894,3400 9086,3208 P6.21@9376,3208 ; P6.22 P6.22@9539.48,3204 ; P6.23@9386,3058 9532,3204 P6.22@9539.48,3204 ; P6.23@9386,3058 9380,3052 9380,3213 9386,3219 9533,3219 9548,3204 P6.22@9539.48,3204 ; P6.23@9386,3058 9542,3058 9539.48,3060.52 P6.22@9539.48,3204
OUT12-: OUT3.1 P6.33 P6.34 P6.35 P6.36 | length 5287.1
  Bottom Layer w110: OUT3.1 8862,6083 8862,3961 8768,3867 8768,2480 8969,2279 9362,2279 P6.33@9369,2272 ; P6.33 9526.49,2274.51 9536,2265 P6.36@9536,2130 ; P6.36@9545,2130 P6.36@9536,2130 ; P6.36@9536,2130 9536,2127 9530,2121 9524,2127 9392,2127 9392,2253 9398,2259 9527,2130 P6.36@9536,2130
"POWER 48V+": "DC-DC 48V-24V.5" "DC-DC 48V-24V.6" "DC-DC 48V-24V.7" "DC-DC 48V-24V.8" DC5.2 DC6.2 DC-DC2.1 DC-DC2.2 DC-DC2.3 DC-DC2.4 | length 7106.7
  Top Layer w180: v2@4151,5930 6937,5930 ; DC-DC2.4 5684,6212 5688,6216 6078,6216 6078,5949 6077,5948 5465,5948 5502,5985 DC-DC2.4@5502,6207 ; 6536,5933 6546,5943 DC5.2 ; 6954,5947 DC6.2
  Bottom Layer w180: 3103,6090 3107,6090 ; 3107,6091 3107,6090 ; 3634,5849 3107,5849 3107,6090 ; 3634,5917 3639,5922 3703,5922 ; 3692,6093 3501,6093 3496,6088 3489,6095 3301,6095 3296,6090 3107,6090 ; 3703,6090 3703,5922 ; v2(4143,5922) 3703,5922
"POWER 48V-": "DC-DC 48V-24V.1" "DC-DC 48V-24V.2" "DC-DC 48V-24V.3" "DC-DC 48V-24V.4" DC5.1 DC6.1 DC-DC2.5 DC-DC2.6 DC-DC2.7 DC-DC2.8 | length 6671.7
  Top Layer w180: v2(4178,6434) 4289,6434 4295,6440 ; 4297,6442 4295,6440 ; DC-DC2.8 4879,6212 4887,6220 5071,6220 5076,6215 5275,6215 5285,6225 5285,6418 5346,6418 ; 6340,6414 6340,6209 DC5.1 ; DC6.1@6753,6205 6753,6445 5299,6445 5285,6431 5285,6440 4295,6440
  Bottom Layer w180: 2893,6086 2891,6088 2502,6088 2500,6090 2303,6090 2303,6357 2380,6434 v2(4178,6434)
RX3: P5.26 PWM_1_1.8 | length 6008.5
  Top Layer w50: v1(5403,3715) 5403,5036 5628,5261 7810,5261 7942,5129 7942,4226 v1(7949,4219)
  Bottom Layer w50: v1@5397,3707 v1@5403,3713 ; v1(5403,3715) v1@5403,3713 ; PWM_1_1.8 5482,3462 5401,3543 5403,3545 v1@5403,3713 ; v1(7949,4219) 7949,4055 8009,3995 P5.26@8270,3995
T1_1: P2.6 SIP1.5 | length 6019.7
  Bottom Layer w30: 3959.5,1813.5 3959,1814 3959,3566 3959.5,3566.5
  Bottom Layer w50: 3959.5,1813.5 4267,1506 6388,1506 6397,1515 ; 3959.5,3566.5 4072,3679 SIP1.5 ; 6394.85,1515 6395.85,1515 6677,1796.15 6677,2281 6847,2451 7039,2451 P2.6@7048,2460
T1_2: P2.16 SIP1.6 | length 6477.7
  Bottom Layer w30: 4009,3507 4009,2034.71 4008,2033.71 4008,1930 4018,1920
  Bottom Layer w50: 4009,3507 4081,3579 SIP1.6 ; 4014,1929 4356,1587 6382,1587 6394,1599 ; 6393,1598 6394,1599 ; 6395,1599 6394,1599 ; P2.16@7050,3231 6793,3231 6595,3033 6595,1800 6394,1599
T1_3: P2.26 SIP1.7 | length 6819.3
  Bottom Layer w30: 4058,2013 4058,3401 4136,3479 SIP1.7
  Bottom Layer w50: 4058,2013 4408,1663 6332,1663 6334,1661 6515,1842 6515,3079 6756,3320 6756,3903 6868,4015 P2.26@7046,4015
T1_4: P2.25 SIP1.8 | length 6897.5
  Top Layer w50: v6(4156,3379) 4086,3449 4086,5114 4407,5435 7063,5435 v1(7090,5462)
  Bottom Layer w50: v6(4156,3379) SIP1.8 ; v1@7092,5464 v1(7090,5462) 7221,5462 7475.5,5207.5 7475.5,4182.5 7299,4006 P2.25@7208,4006
T2_1: P5.6 PWM_1_1.1 | length 6870
  Top Layer w50: v1(4987,2042) 4987,2094 5116,2223 5671,2223 5874,2020 5874,1447 5940,1381 7990,1381 8065,1456 8065,2338 v1(8068,2341)
  Bottom Layer w50: 4460,2800 4460,2797 ; PWM_1_1.1 4666.5,3064.5 4559.5,3064.5 4462,2967 4462,2799 4460,2797 ; v1(4987,2042) 4500,2042 4460,2082 4460,2797 ; v1(8068,2341) 8170,2443 P5.6@8270,2443
T2_2: P5.16 PWM_1_1.4 | length 6785.6
  Top Layer w50: v1(5159,3536) 5447,3536 5501,3590 5501,5011 5661,5171 7671,5171 7837,5005 7837,3353 v1(7967,3223)
  Bottom Layer w50: PWM_1_1.4@5079,3182 5079,3456 v1(5159,3536) ; v1(7967,3223) 7970,3220 8035,3220 ; 8027,3219 P5.16@8264,3219
T3_1: P6.6 PWM_1_1.5 | length 10156.5
  Top Layer w50: v1(5473,1967) 5473,1288 5672,1089 9732,1089 9944,1301 v1(9944,1437)
  Bottom Layer w50: PWM_1_1.5@5182,3170.4 PWM_1_1.5 5182,3164 5475,2871 5475,1969 v1(5473,1967) ; P6.6@9539,4456 9827,4456 9944,4339 v1(9944,1437)
T3_2: P6.16 PWM_1_1.6 | length 8990.6
  Top Layer w50: v1(5579.79,1892.62) 5573.62,1892.62 5565,1884 5565,1342 5747,1160 9629,1160 9759,1290 v1@9759,1406
  Bottom Layer w50: PWM_1_1.6 5282,3170.4 5563.4,2889 5563.4,1885.6 5565,1884 5573.62,1892.62 v1(5579.79,1892.62) ; P6.16@9542,3681 9553,3670 9705,3670 9879,3496 9879,1560 ; v1(9756,1407) 9756,1437 9879,1560 ; 9879,1557 9879,1560 ; 9881,1562 9879,1560
T3_3: P6.26 PWM_1_1.3 | length 8280.9
  Top Layer w50: v1(5342,2057) 5593,2057 5724,1926 5724,1314 5807,1231 9541,1231 v1(9622,1312)
  Bottom Layer w50: PWM_1_1.3 4982,3097 5032,3047 5172,3047 5344,2875 5344,2059 v1(5342,2057) ; P6.26@9541,2898 9548,2891 9745,2891 9819,2817 9819,1720 ; v1(9622,1312) 9622,1446 9816,1640 9816,1734
T3_4: P6.25 PWM_1_1.2 | length 8303.8
  Top Layer w50: v1(5214,2140) 5653,2140 5802,1991 5802,1371 5858,1315 8891,1315 8931,1355 8931,2719 v1@9029,2817
  Bottom Layer w50: PWM_1_1.2 4882,3119 4767.5,3004.5 4584.35,3004.5 4524,2944.15 4524,2144 4528,2140 v1(5214,2140) ; v1(9034,2822) 9110.13,2898.13 P6.25
T4_1: P4.6 SIP5_1.4 | length 4243.9
  Top Layer w50: v1(2061,4629) 2056,4634 2056,4806 2341,5091 3314,5091 3689,4716 3689,3197 3735,3151 v1@3735,2968
  Bottom Layer w50: P4.6@1876,4495 1927,4495 v1(2061,4629) ; v1@3734,2970 3741,2977 SIP5_1.4
  other v1: 3732,2969
T4_2: P4.16 SIP5_1.3 | length 4920.2
  Top Layer w50: v1(2070,4186) 2070,4303 2173,4406 2173,4577 2173,4748 2438,5013 3254,5013 3536,4731 3536,3129 3591,3074 v1(3613,3074)
  Bottom Layer w50: P4.16@1876,3707 2022,3707 ; 2024,3707 2022,3707 ; v1(2070,4186) 2070,4058 2160,3968 2160,3781 2086,3707 2022,3707 ; v1@3618,3074 3621,3077 SIP5_1.3
T4_3: P4.26 SIP5_1.2 | length 4538.8
  Top Layer w50: v1@3276,1545 3278,1547 3377,1547 3491,1661 3491,2978 v1@3484,2985
  Bottom Layer w50: P4.26 1969.87,2934.13 2469,2435 2469,1924 ; 2470,1923 2470,1683 2608,1545 v1(3270,1545) ; v1(3484,2986) 3484,3106 3555,3177 SIP5_1.2
T4_4: P4.25 SIP5_1.1 | length 5525
  Top Layer w50: 1365,1869 1366,1868 ; v12(1416,2902) 1366,2852 1366,1868 ; v1(3429,3188) 3390,3149 3390,1758 3271,1639 1549,1639 1366,1822 1366,1868 ; SIP5_1.1@3872.4,3277 SIP5_1.1
  Bottom Layer w50: v12(1416,2902) 1443,2929 1603,2929 ; 1597,2929 1603,2929 ; P4.25@1727,2929 1603,2929 ; v1(3429,3188) 3518,3277 SIP5_1.1
T5_1: P1.6 SIP1.1 | length 1521.1
  Bottom Layer w80: P1.6@3093,4496 4137,4496 4282,4351 SIP1.1
T5_2: P1.16 SIP1.2 | length 1292.3
  Bottom Layer w50: P1.16@3097,3720 3141,3720 3400,3979 SIP1.2
T5_3: P1.26 SIP1.3 | length 1915.5
  Bottom Layer w50: P1.26@3094,2940 3219,3065 3219,3643 3455,3879 SIP1.3
T5_4: P1.25 SIP1.4 | length 4234.2
  Top Layer w50: v1(2761,2923) 2732,2894 2732,2092 2884,1940 3149,1940 3308,2099 3308,3517 v1(3403,3612)
  Bottom Layer w45: v1(2761,2923) 2780,2942 P1.25@2939,2942 ; v1(3403,3612) v1@3408,3612
  Bottom Layer w50: v1@3408,3612 3575,3779 SIP1.4
TX3: P5.25 PWM_1_1.7 | length 7114.1
  Top Layer w50: 5297,5101 5558,5362 8486,5362 8904,4944 8904,4378 8725,4199 v1(8728,4196) ; v1(5298,3621) 5298,5098 5300,5100
  Bottom Layer w50: v1(5298,3621) 5297,3620 5297,3475 5382,3391 PWM_1_1.7 ; P5.25@8431,4001 8649,4001 8728,4080 v1(8728,4196)
copper on no net: | length 824
  Bottom Layer w60: 5584,4157 5584,4568 ; 5688,4153 5688,4566
  other v5: 9895,116 120,119 119,6615 9894,6615

## Keep-outs
Keep-Out Layer:
  lines w3: 0,0 0,117 0,6730 ; 0.56,6730 473,6730 1649.53,6730 ; 2.06,0 474,0 ; 473,0 9535,0 ; 1650,6730 2950,6730 8350,6730 9535,6730 10007.44,6730 ; 9534,0 10007,0 10007,6730

## Other copper
Top Layer:
  rectangle net DC24V_1-: 1586,261 6735,380
  rectangle net "POWER 48V+": 5552,6007 6036,6159
  rectangle net "POWER 48V-": 4611,6226 5301,6414
  rectangle net DC24V_1-: 77,4366 369,6061
Bottom Layer:
  rectangle net DC24V_1-: 1657,198 4388,453
  rectangle net "POWER 48V-": 2369,6085 2938,6361
  rectangle net "POWER 48V+": 3161,5879 3656,6042
  rectangle net DC24V_2+: 7808,51 8690,272
  rectangle net OUT4-: 1738,2175 1854,2293
  rectangle net DC24V_1-: 1714,3907 1848,4037
  rectangle net OUT3: 1738,4688 1833,4788
  rectangle net 5V: 545,3916 645,4180
  rectangle net 9V: 489,3449 668,3729
  rectangle net 12V_2: 550,3125 645,3229
  rectangle net 12V_1: 541,2824 630,2928
  rectangle net DC24V_1-: 7049,2930 7201,3074
  rectangle net DC24V_1-: 8283,2936 8427,3037
  rectangle net DC24V_5+: 8293,4196 8403,4296
  rectangle net DC24V_1-: 9384,3859 9519,3986
  rectangle net DC24V_1-: 2935,3878 3085,4034
  rectangle net DC24V_2+: 7822,138 8546,315
  rectangle net DC24V_1-: 170,4367 644,5147

## Silkscreen, mask and mechanical layers (free items; w line width, h text height)
Top Overlay:
  lines w3: 3768,2582 6323,2582 6323,4502 3768,4502 3768,2587 ; 3783,2415 3788,2415 3783,2420 ; 6193,3888 6194,3887
  lines w5: 4795.06,2581 5188.76,2581